# Altium PCB LimeSDR_Mini_1v3_Rounded.PcbDoc (part 3 of 6)
Units mm, origin at the board's own origin, x right, y up, seen from the top; angles counter-clockwise.
Board outline 69 x 31.37 mm, 8 copper layers (Top, L2, L3, L4, L5, L6, L7, Bottom), stack 1.555 mm thick; 419 components, 287 nets, 1771 pads, 821 vias.
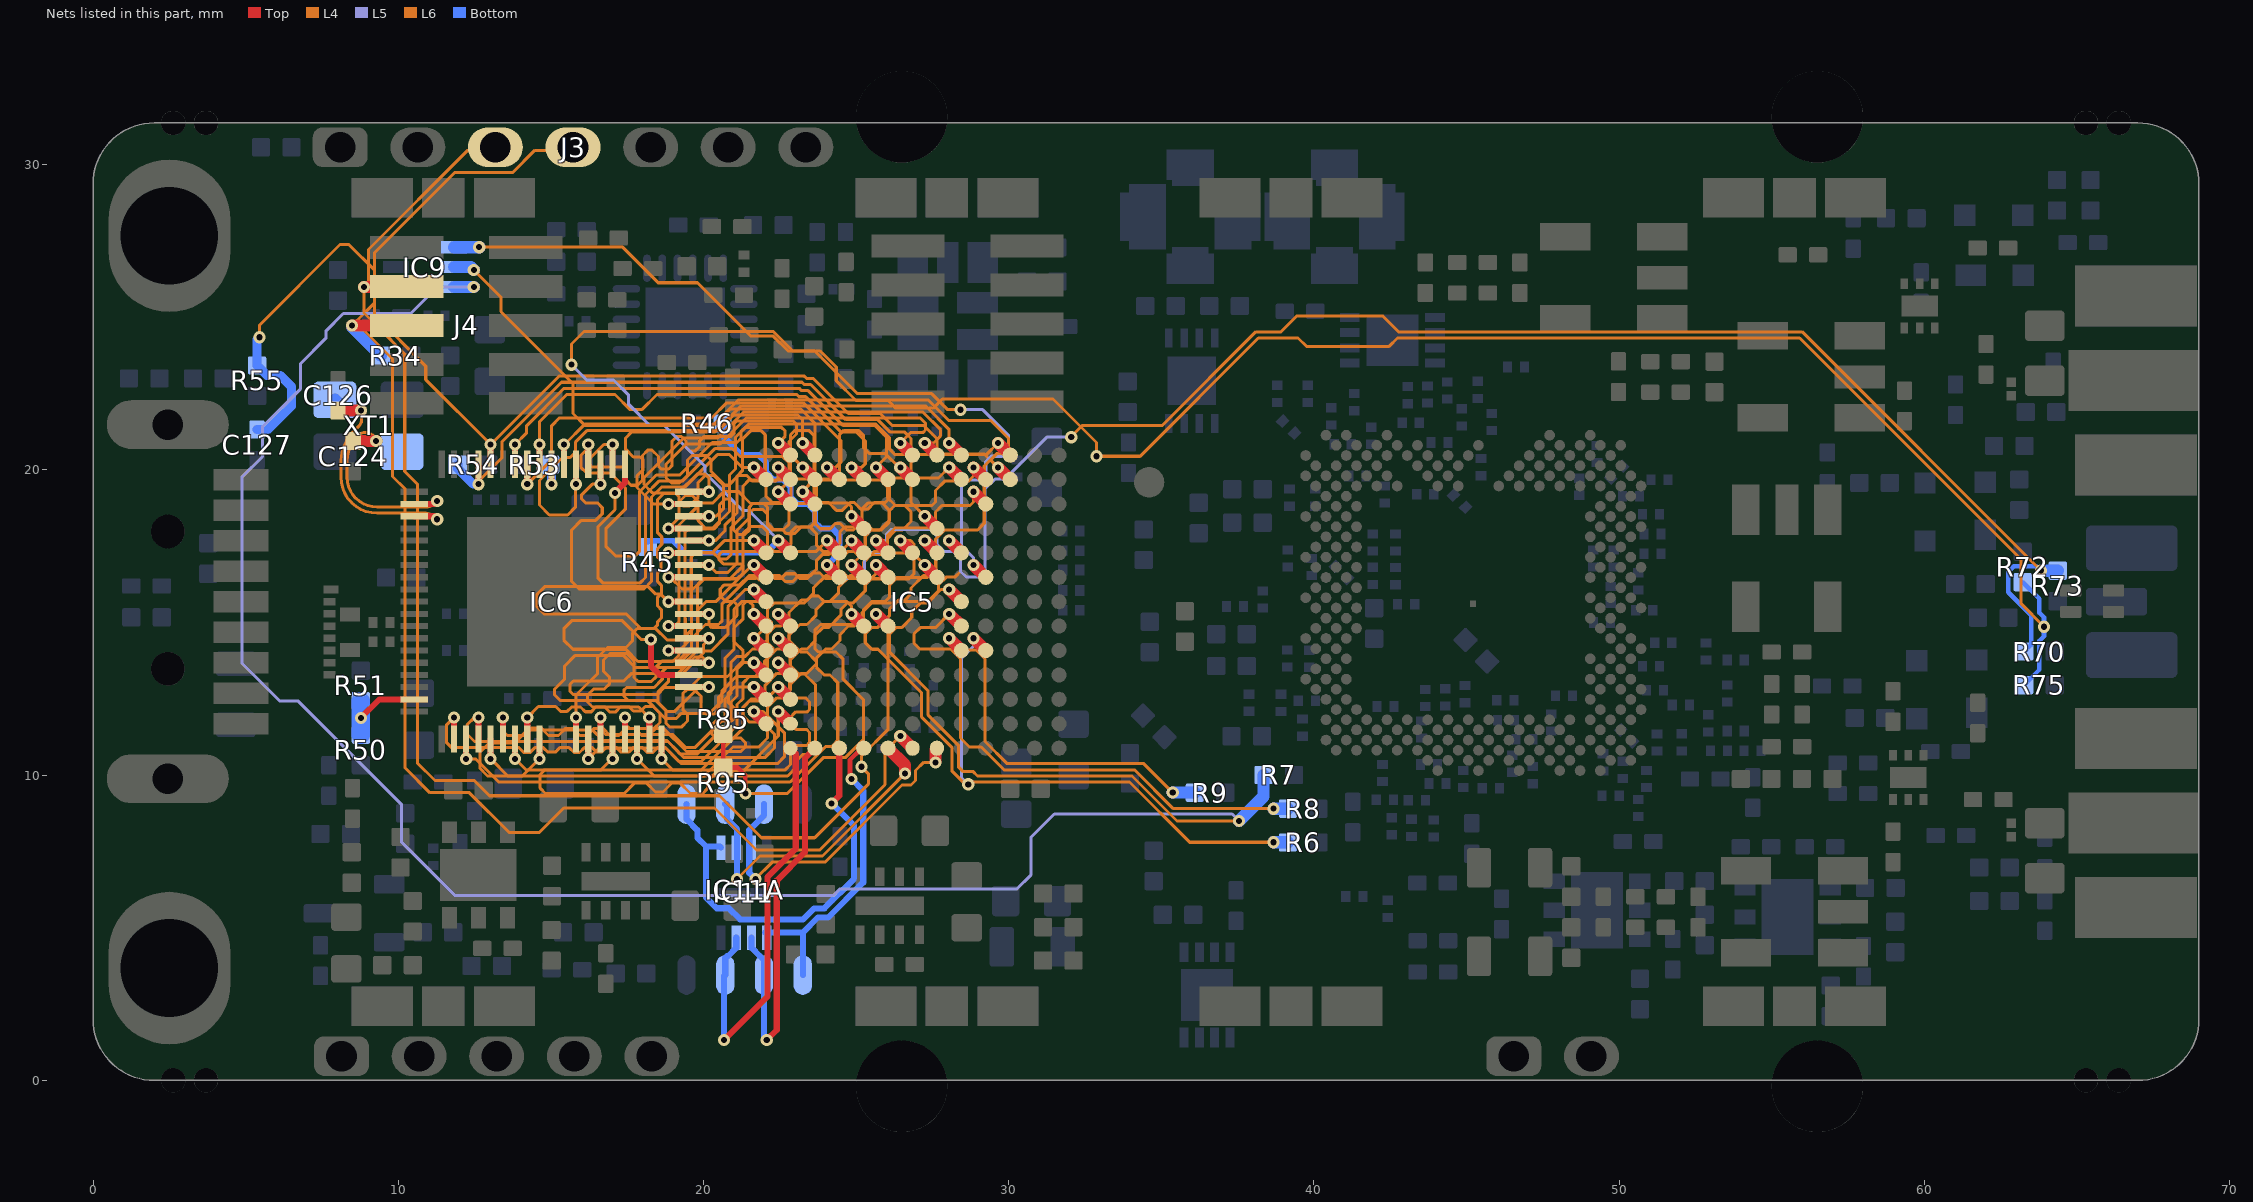
[diagram p9: the nets of this part, all layers, seen from the top]

## Via types
v1: diameter 0.4, hole 0.2, Top to Bottom, tented both sides, 601 vias
v2: diameter 0.4, hole 0.2, Top to Bottom, tented top, 99 vias
v3: diameter 0.35, hole 0.2, Top to Bottom, tented top, 79 vias
v4: diameter 0.5, hole 0.2, Top to Bottom, tented bottom, 25 vias
v5: diameter 0.35, hole 0.2, Top to Bottom, tented both sides, 9 vias
v6: diameter 0.5, hole 0.2, Top to Bottom, tented both sides, 8 vias

## Nets (pads, with @x,y where several pads share a name; then routed paths per layer and width w, separated by ;. In a path a pad name is that pad's centre, name@x,y a point inside that pad or via, vN(x,y) a via of type N, cw(c..) or ccw(c..) an arc to the next point about the centre after c; other vN are vias at no path point) (continued)
FPGA_JTAG_TDO: IC5.F6 J3.3 J4.3 | length 47.8
  Top w0.4: v1(8.875,26) 10.265,26 J4.3@10.275,26.01 ; v2(25.65,15.285) IC5.F6@26.05,14.885
  L4 w0.1: v1(8.875,26) 8.875,25.142 9.771,24.246 9.771,24.245 10.212,23.803 10.212,19.953 10.625,19.541 10.625,10.4 11.2,9.825 12.491,9.825 12.991,9.325 20.525,9.325 21.9,7.95 23.644,7.95 25.4,9.706 25.4,10.05 v1(25.175,10.275) ; v2@25.61,15.285 v2(25.65,15.285)
  L6 w0.1: v1(8.875,26) 9.025,26.15 9.025,27.225 12.275,30.475 J3.3@13.182,30.475 ; v1(25.175,10.275) 25.175,10.625 26.05,11.5 26.05,14.885 v2(25.65,15.285)
FPGA_JTAG_TMS: IC5.G1 J3.4 J4.5 R34.1 | length 49.9
  Top w0.4: v1(8.485,24.735) J4.5@10.275,24.735 ; v2(26.45,11.285) IC5.G1@26.85,10.885
  L4 w0.1: v1(8.485,24.735) 8.715,24.735 9.812,23.638 9.812,19.788 10.225,19.375 10.225,10.234 11.034,9.425 12.325,9.425 13.625,8.125 14.625,8.125 15.425,8.925 20.359,8.925 21.734,7.55 23.809,7.55 25.95,9.691 25.95,10.785 v2(26.45,11.285)
  L6 w0.1: v1(8.485,24.735) 9.225,25.475 9.225,27.125 11.85,29.75 13.75,29.75 14.475,30.475 J3.4@15.725,30.475
  Bottom w0.4: v1(8.485,24.735) 8.485,24.69 R34.1@9.425,23.75
FPGA_LED_G: IC5.D8 R46.2 R70.2 R73.2 | length 63.4
  Top w0.4: v2(24.05,16.885) IC5.D8@24.45,16.485
  L4 w0.1: v1@31.975,21.025 32.4,21.45 35.025,21.45 38.1,24.525 38.925,24.525 39.45,25.05 42.25,25.05 42.775,24.525 56,24.525 v1(63.825,16.7)
  L5 w0.1: v2(24.05,16.885) 24.485,16.45 25.05,16.45 25.275,16.675 25.275,17.075 25.5,17.3 25.782,17.3 26,17.518 26,17.9 26.15,18.05 27.425,18.05 27.65,17.825 27.65,17.575 27.9,17.325 28.2,17.325 28.425,17.1 28.425,16.675 28.6,16.5 29.05,16.5 29.225,16.675 29.225,19.375 29.55,19.7 29.875,19.7 31.25,21.075 v1(32.05,21.075)
  Bottom w0.15: R70.2@63.275,14.05 63.5,14.275 63.5,15.238 62.75,15.988 62.75,16.662 62.938,16.85 63.675,16.85 v1(63.825,16.7)
  Bottom w0.2: R46.2@20.675,21.475 20.675,21.065 21.255,20.485 21.816,20.485 22.05,20.251 22.05,19.919 22.284,19.685 22.616,19.685 22.85,19.451 22.85,19.119 23.084,18.885 23.416,18.885 23.65,18.651 23.65,18.275 23.84,18.085 24.216,18.085 24.45,17.851 24.45,17.285 v2(24.05,16.885)
  Bottom w0.4: v1(63.825,16.7) R73.2@64.375,16.7
FPGA_LED_R: IC5.B9 R45.2 R72.2 R75.2 | length 76.8
  Top w0.4: v2(22.45,17.685) IC5.B9@22.85,17.285
  L4 w0.1: v1(32.875,20.45) 34.308,20.45 38.183,24.325 39.483,24.325 39.758,24.05 42.467,24.05 42.742,24.325 55.917,24.325 63.175,17.067 63.175,15.612 v1(63.925,14.863)
  L5 w0.1: v1(15.675,23.45) 16.175,22.95 17.05,22.95 17.55,22.45 17.55,22.15 18.25,21.45 18.725,21.45 20.05,20.125 20.05,19.907 21.282,18.675 21.482,18.675 22.45,17.707 v2(22.45,17.685)
  L6 w0.1: v1(15.675,23.45) 15.675,24.125 16.085,24.535 22.29,24.535 22.925,23.9 23.825,23.9 24.35,23.375 24.35,22.925 25,22.275 26.05,22.275 26.3,22.025 27.525,22.025 27.825,22.325 31.45,22.325 32.875,20.9 v1(32.875,20.45)
  Bottom w0.15: R72.2@63.225,16.325 63.775,15.775 63.775,15.325 63.925,15.175 v1(63.925,14.863) 63.925,14.55 63.775,14.4 63.775,13.461 R75.2@63.264,12.95
  Bottom w0.19: R45.2@18.175,17.65 18.205,17.68 19.014,17.68 19.409,17.285 22.05,17.285
  Bottom w0.2: 22.05,17.285 v2(22.45,17.685)
FPGA_QSPI_FLASH_SS: IC5.E1 IC11.1 IC11A.1 | length 10.1
  Top w0.15: v1(24.85,9.875) 24.8,9.925 24.8,10.5 IC5.E1@25.185,10.885 ; v1@24.9,9.875 v1@24.9,9.929
  Bottom w0.2: IC11.1@22.025,4.842 23.255,4.842 ; IC11A.1@23.255,3.45 23.255,4.842 ; v1(24.85,9.875) 25.236,9.489 25.236,6.486 24.086,5.336 23.749,5.336 23.255,4.842
FPGA_QSPI_IO0: IC5.D1 IC11.5 IC11A.5 | length 14.2
  Top w0.2: v1(24.2,9.075) 24.45,9.325 IC5.D1@24.45,10.885
  Bottom w0.2: IC11A.5@19.445,9.05 19.445,8.551 19.8,8.196 19.8,7.95 20.087,7.663 ; IC11.5@20.575,7.625 20.538,7.663 20.087,7.663 ; v1(24.2,9.075) 24.775,8.5 24.779,8.5 24.925,8.354 24.925,8.35 24.936,8.339 24.936,6.61 23.962,5.636 23.625,5.636 23.264,5.275 21.2,5.275 20.835,5.64 20.435,5.64 20.087,5.988 20.087,7.663
FPGA_QSPI_IO1: IC5.C1 IC11.2 IC11A.2 | length 13.8
  Top w0.2: v1(22.075,1.325) 22.4,1.65 22.4,6.543 23.325,7.468 23.325,10.56 IC5.C1@23.65,10.885
  Bottom w0.2: IC11.2@21.575,4.675 21.575,4.342 21.842,4.075 21.85,4.075 21.985,3.94 IC11A.2@21.985,3.45 21.985,1.415 v1(22.075,1.325)
FPGA_QSPI_IO2: IC5.B1 IC11.3 IC11A.3 | length 14.1
  Top w0.2: v1(20.675,1.325) 22.1,2.75 22.1,6.667 23.025,7.592 23.025,10.71 IC5.B1@22.85,10.885
  Bottom w0.2: v1(20.675,1.325) 20.675,3.41 IC11A.3@20.715,3.45 20.715,4.015 20.775,4.075 20.808,4.075 21.075,4.342 IC11.3@21.075,4.675
FPGA_QSPI_IO3: IC5.H1 IC11.7 IC11A.7 | length 10.9
  Top w0.4: v1@27.6,10.45 27.6,10.835 IC5.H1@27.65,10.885
  L4 w0.1: v1(21.7,6.6) 22.25,7.15 23.983,7.15 26.508,9.675 26.8,9.675 26.95,9.825 26.95,10.15 27.219,10.419 v1(27.6,10.419)
  Bottom w0.2: v1(21.7,6.6) 21.5,6.8 21.5,8.2 21.985,8.685 IC11A.7@21.985,9.05
FPGA_QSPI_SCLK: IC5.F1 IC11.6 IC11A.6 | length 10.6
  Top w0.4: IC5.F1@26.05,10.885 26.6,10.335 v1(26.6,10.05)
  L4 w0.1: v1(21.1,6.6) 21.85,7.35 23.9,7.35 v1(26.6,10.05)
  Bottom w0.2: IC11A.6@20.715,9.05 20.775,9.05 20.775,8.55 21.1,8.225 21.1,7.625 v1(21.1,6.6)
FPGA_SPI_DAC_SS: IC5.K8 IC9.1 | length 26.8
  Top w0.4: v2(28.85,16.885) IC5.K8@29.25,16.485
  L4 w0.1: v1(12.65,27.3) 17.35,27.3 18.515,26.135 19.807,26.135 21.557,24.385 22.29,24.385 22.775,23.9 23.65,23.9 25.05,22.5 27.475,22.5 28,21.975 v1(28.425,21.975)
  L5 w0.1: v1(28.425,21.975) 29.15,21.975 30,21.125 30,20.74 30,20.675 29.775,20.45 29.425,20.45 29.25,20.275 29.25,19.875 29.05,19.675 28.65,19.675 28.45,19.475 28.45,17.525 28.85,17.125 v2(28.85,16.885)
  Bottom w0.4: IC9.1@11.825,27.3 v1(12.65,27.3)
FPGA_SPI_LMS_SS: IC5.J5 R9.2 | length 12.3
  Top w0.4: v2(28.05,14.485) IC5.J5@28.45,14.085
  L4 w0.1: v2(28.05,14.485) 28.435,14.1 28.93,14.1 29.225,13.805 29.225,11.1 29.95,10.375 34.428,10.375 v1(35.375,9.428)
  Bottom w0.4: v1(35.375,9.428) R9.2@36.1,9.428
FPGA_SPI_MISO: IC5.J6 R8.2 | length 18.3
  Top w0.4: v2(28.05,15.285) IC5.J6@28.45,14.885
  L4 w0.1: v2(28.05,15.285) 27.6,14.835 27.105,14.835 26.9,14.63 26.9,14.325 27.09,14.135 28.095,14.135 28.425,13.805 28.425,11.215 28.715,10.925 29.1,10.925 29.85,10.175 34.125,10.175 35.397,8.903 v1(38.675,8.903)
  Bottom w0.4: v1(38.675,8.903) R8.2@39.15,8.903
FPGA_SPI_MOSI: IC5.J7 IC9.3 R7.2 | length 76.9
  Top w0.4: v2(28.05,16.085) IC5.J7@28.45,15.685
  L4 w0.1: v2(28.05,16.085) 27.785,16.085 27.335,15.635 27.105,15.635 26.825,15.355 26.825,15.165 26.495,14.835 26.305,14.835 26.1,14.63 26.1,14.025 27.35,12.775 27.35,11.983 28.35,10.983 28.35,10.275 28.498,10.127 28.825,10.127 28.977,9.975 34.042,9.975 35.517,8.5 v1(37.55,8.5)
  L5 w0.1: v1(12.475,26) 11.284,26 10.409,25.125 8.2,25.125 7.625,24.55 7.625,24.312 6.8,23.487 6.8,22.666 5.55,21.416 5.55,20.437 4.875,19.762 4.875,13.675 6.125,12.425 6.725,12.425 10.1,9.05 10.1,7.814 11.864,6.05 24.25,6.05 24.475,6.275 30.275,6.275 30.725,6.725 30.725,7.955 31.495,8.725 37.325,8.725 v1(37.55,8.5)
  Bottom w0.4: IC9.3@11.825,26 v1(12.475,26) ; v1(37.55,8.5) 38.35,9.3 R7.2@38.35,10.003
FPGA_SPI_SCLK: IC5.K5 IC9.2 R6.2 | length 54.8
  Top w0.4: v2(28.85,14.485) IC5.K5@29.25,14.085
  L4 w0.1: v1(12.475,26.55) 13.362,25.662 13.362,25.188 15.725,22.825 15.725,21.85 16.125,21.45 20.3,21.45 21.15,22.3 27.355,22.3 28.03,21.625 29.405,21.625 30,21.03 30,20.74 29.795,20.535 29.605,20.535 29.2,20.13 29.2,18.25 28.985,18.035 27.905,18.035 27.6,17.73 27.6,16.74 27.395,16.535 27.205,16.535 26.8,16.13 26.8,15.94 26.595,15.735 26.385,15.735 26.1,15.45 26.1,15.24 25.695,14.835 25.505,14.835 25.3,14.63 25.3,14.34 25.515,14.125 25.717,14.125 27.15,12.692 27.15,11.9 28.15,10.9 28.15,10.125 28.575,9.7 v1(28.675,9.7) ; v1@28.782,9.775 33.959,9.775 35.932,7.803 v1(38.675,7.803)
  L5 w0.1: v1(28.675,9.7) 28.45,9.925 28.45,13.825 28.85,14.225 v2(28.85,14.485)
  Bottom w0.4: IC9.2@11.825,26.65 12.375,26.65 v1(12.475,26.55) ; v1(38.675,7.803) R6.2@39.15,7.803
FT_BE0: IC5.B11 IC6.4 | length 15.7
  Top w0.2: v1(17.1,19.25) 17.425,19.575 IC6.4@17.425,20.185
  Top w0.4: v2(22.45,19.285) IC5.B11@22.85,18.885
  L6 w0.1: v1(17.1,19.25) 17.1,18.7 16.55,18.15 16.55,16.45 16.7,16.3 17.925,16.3 18.1,16.475 18.1,19.196 18.539,19.635 19.307,19.635 20.372,20.7 20.95,20.7 21.215,20.435 22.595,20.435 22.8,20.23 22.8,19.635 v2(22.45,19.285)
FT_BE1: IC5.C12 IC6.5 | length 14.7
  Top w0.2: IC6.5@17.025,20.185 v1(17.025,20.835)
  Top w0.4: v2(23.25,20.085) IC5.C12@23.65,19.685
  L6 w0.1: v1(17.025,20.835) 16.735,20.835 16.241,20.341 16.241,20.209 16.35,20.1 17.375,20.1 17.45,20.025 17.45,19.678 17.628,19.5 17.839,19.5 18,19.661 18,20.475 18.175,20.65 18.315,20.65 18.525,20.44 18.525,20.125 18.615,20.035 18.86,20.035 18.975,20.15 18.975,20.95 19.125,21.1 19.275,21.1 19.425,20.95 19.425,20.75 19.55,20.625 19.732,20.625 19.875,20.768 19.875,20.962 20.013,21.1 20.9,21.1 21,21.2 21,21.517 21.083,21.6 22.95,21.6 23.05,21.5 23.05,21.18 22.8,20.93 22.8,20.535 v2(23.25,20.085)
FT_BE2: IC5.A12 IC6.6 | length 15.7
  Top w0.2: v1(16.625,19.535) IC6.6@16.625,20.185
  Top w0.4: v2(21.65,20.085) IC5.A12@22.05,19.685
  L6 w0.1: v1(16.625,19.535) 16.36,19.535 16,19.175 16,19.063 16.138,18.925 16.525,18.925 16.684,18.766 16.684,18.566 16.467,18.35 16,18.35 15.675,18.025 15.675,16.35 15.925,16.1 18.05,16.1 18.3,16.35 18.3,19.113 18.622,19.435 19.39,19.435 20.455,20.5 20.85,20.5 21.265,20.085 v2(21.65,20.085)
FT_BE3: IC5.B13 IC6.7 | length 15.6
  Top w0.2: IC6.7@16.225,20.185 v1(16.225,20.835)
  Top w0.4: v2(22.45,20.885) IC5.B13@22.85,20.485
  L6 w0.1: v1(16.225,20.835) 16.21,20.835 16.21,20.702 15.983,20.475 15.983,20.092 16.175,19.9 16.945,19.9 17.45,19.395 17.45,18.725 16.8,18.075 16.8,17.5 17.115,17.185 17.76,17.185 17.9,17.325 17.9,19.278 18.457,19.835 19.224,19.835 20.289,20.9 21.1,20.9 21.225,21.025 21.225,21.25 21.375,21.4 22.55,21.4 22.675,21.275 22.675,21.11 v2(22.45,20.885)
FT_CLK: IC5.G9 R85.1 R95.1 | length 18.2
  Top w0.15: R85.1@20.65,11.35 R95.1@20.65,10.25 21.125,10.25 21.375,10 v1(21.375,9.4)
  Top w0.4: v2(26.45,17.685) IC5.G9@26.85,17.285
  L4 w0.1: v1(21.375,9.4) 22.749,9.4 23.924,10.575 24.65,10.575 25.25,11.175 25.25,12.463 24.575,13.138 24.575,13.8 24.34,14.035 23.765,14.035 23.65,14.15 23.65,14.75 23.835,14.935 25.085,14.935 25.25,15.1 25.25,15.425 25.51,15.685 25.946,15.685 26.1,15.839 26.1,16 26.1,16.23 26.305,16.435 26.735,16.435 26.9,16.6 26.9,17.575 26.79,17.685 v2(26.45,17.685)
FT_D0: IC5.A2 IC6.40 | length 16.4
  Top w0.2: IC6.40@11.825,11.185 v1@11.825,11.835
  Top w0.4: v2(21.65,12.085) IC5.A2@22.05,11.685
  L4 w0.1: v1(11.825,11.885) 11.575,11.635 11.575,11.075 11.75,10.9 13.955,10.9 14.105,10.75 14.325,10.75 14.475,10.9 14.755,10.9 14.903,10.752 15.148,10.752 15.295,10.9 15.6,10.9 15.76,10.74 15.935,10.74 16.095,10.9 16.355,10.9 16.503,10.753 16.653,10.753 16.8,10.9 17.155,10.9 17.303,10.752 17.548,10.752 17.695,10.9 18,10.9 18.15,10.75 18.345,10.75 18.495,10.9 18.755,10.9 19.28,10.375 22.425,10.375 22.65,10.6 22.65,11.39 21.955,12.085 v2(21.65,12.085)
FT_D1: IC5.B6 IC6.41 | length 19.5
  Top w0.2: v1(12.225,10.535) IC6.41@12.225,11.185
  Top w0.4: v2(22.45,15.285) IC5.B6@22.85,14.885
  L4 w0.1: v1(12.225,10.535) 12.53,10.535 13.29,9.775 22.841,9.775 24.001,10.935 24.195,10.935 24.242,10.982 24.4,11.14 24.4,13.03 24.145,13.285 23.955,13.285 23.7,13.54 23.7,13.73 23.395,14.035 23.183,14.035 22.8,14.418 22.8,14.935 v2(22.45,15.285)
FT_D2: IC5.B3 IC6.42 | length 16
  Top w0.2: IC6.42@12.625,11.185 v1@12.625,11.835
  Top w0.4: v2(22.45,12.885) IC5.B3@22.85,12.485
  L4 w0.1: v1(12.625,11.885) 12.485,11.885 12.25,11.65 12.25,11.35 12.5,11.1 18.838,11.1 19.363,10.575 22.009,10.575 22.325,10.891 22.325,11.342 21.932,11.735 21.505,11.735 21.3,11.94 21.3,12.23 21.505,12.435 22,12.435 v2(22.45,12.885)
FT_D3: IC5.B5 IC6.43 | length 16.8
  Top w0.2: v1(13.025,10.535) IC6.43@13.025,11.185
  Top w0.4: v2(22.45,14.485) IC5.B5@22.85,14.085
  L4 w0.1: v1(13.025,10.535) 13.585,9.975 22.758,9.975 23.075,10.292 23.075,10.5 23.25,10.675 23.425,10.675 23.675,10.925 23.675,12.955 23.313,13.318 23.123,13.318 22.835,13.605 22.835,14.1 v2(22.45,14.485)
FT_D4: IC5.A3 IC6.44 | length 15.3
  Top w0.2: IC6.44@13.425,11.185 v1@13.425,11.835
  Top w0.4: v2(21.65,12.885) IC5.A3@22.05,12.485
  L4 w0.1: v1(13.425,11.885) 13.425,11.45 13.575,11.3 14.135,11.3 14.385,11.55 14.675,11.55 14.925,11.3 15.25,11.3 15.485,11.535 15.715,11.535 15.95,11.3 16.175,11.3 16.41,11.535 16.7,11.535 16.935,11.3 17.225,11.3 17.45,11.525 17.75,11.525 17.975,11.3 18.2,11.3 18.435,11.535 18.686,11.535 19.446,10.775 21.225,10.775 21.375,10.925 21.375,11.065 21.215,11.225 20.4,11.225 20.275,11.35 20.275,11.65 20.4,11.775 20.925,11.775 21.075,11.925 21.075,12.125 20.812,12.388 20.812,12.688 21.01,12.885 v2(21.65,12.885)
FT_D5: IC5.B4 IC6.45 | length 15.9
  Top w0.2: v1(13.825,10.535) IC6.45@13.825,11.185
  Top w0.4: v2(22.45,13.685) IC5.B4@22.85,13.285
  L4 w0.1: v1(13.825,10.535) 14.185,10.175 22.675,10.175 22.85,10.35 22.85,10.85 22.975,10.975 23.375,10.975 23.475,11.075 23.475,11.4 23.375,11.5 23.025,11.5 22.825,11.7 22.825,11.875 23.025,12.075 23.4,12.075 23.475,12.15 23.475,12.4 23.34,12.535 22.99,12.535 22.825,12.7 22.825,13.31 v2(22.45,13.685)
FT_D6: IC5.E6 IC6.46 | length 16.3
  Top w0.2: IC6.46@14.225,11.185 v1@14.225,11.835
  Top w0.4: v2(24.85,15.285) IC5.E6@25.25,14.885
  L4 w0.1: v1(14.225,11.885) 14.59,12.25 15.155,12.25 15.315,12.09 15.535,12.09 15.68,12.235 15.97,12.235 16.127,12.077 16.322,12.077 16.48,12.235 16.77,12.235 16.94,12.065 17.11,12.065 17.28,12.235 17.57,12.235 17.702,12.102 17.948,12.102 18.095,12.25 18.355,12.25 18.755,11.85 19.1,11.85 19.275,12.025 20.2,12.025 20.612,12.437 20.612,12.77 21.077,13.235 21.86,13.235 22.1,13.475 22.1,13.83 22.273,14.002 22.273,14.168 22.1,14.34 22.1,14.63 22.225,14.755 22.225,15.015 22.1,15.14 22.1,15.43 22.305,15.635 23.295,15.635 23.53,15.87 23.77,15.87 23.955,15.685 24.7,15.685 24.85,15.535 v2(24.85,15.285)
FT_D7: IC5.A4 IC6.47 | length 15.7
  Top w0.2: v1(14.625,10.535) IC6.47@14.625,11.185
  Top w0.4: v2(21.65,13.685) IC5.A4@22.05,13.285
  L6 w0.1: v1(14.625,10.535) 14.065,9.975 12.925,9.975 12.675,10.225 12.675,10.75 12.975,11.05 13.8,11.05 14.225,11.475 16.367,11.475 16.707,11.135 18.803,11.135 19.175,10.763 19.175,10.75 19.225,10.7 19.8,10.7 20.9,11.8 20.9,12.396 21.1,12.596 21.1,13.475 21.31,13.685 v2(21.65,13.685)
FT_D8: IC5.B12 IC6.50 | length 16.3
  Top w0.2: IC6.50@15.825,11.185 v1@15.825,11.835
  Top w0.4: v2(22.45,20.085) IC5.B12@22.85,19.685
  L6 w0.1: v1(15.825,11.885) 15.825,12.625 16.285,13.085 16.291,13.085 16.525,13.319 16.525,13.854 16.856,14.185 17.46,14.185 17.675,14.4 17.675,14.65 17.825,14.8 18.375,14.8 18.5,14.925 18.5,15.03 18.62,15.15 18.62,15.42 18.5,15.54 18.5,15.685 18.5,15.83 18.62,15.95 18.62,16.22 18.5,16.34 18.5,16.525 18.5,16.63 18.608,16.737 18.608,17.033 18.5,17.14 18.5,17.43 18.633,17.562 18.633,17.808 18.5,17.94 18.5,18.2 18.5,19.03 18.705,19.235 19.089,19.235 19.2,19.124 19.2,18.95 19.325,18.825 19.542,18.825 19.825,19.108 19.825,19.587 20.064,19.826 20.334,19.826 20.66,19.5 20.825,19.5 21.15,19.825 21.41,19.825 21.6,19.635 22.36,19.635 22.45,19.725 v2(22.45,20.085)
FT_D9: IC5.H8 IC6.51 | length 16.9
  Top w0.2: v1(16.225,10.535) IC6.51@16.225,11.185
  Top w0.4: v2(27.25,16.885) IC5.H8@27.65,16.485
  L6 w0.1: v1(16.225,10.535) 16.575,10.885 18.77,10.885 18.975,10.68 18.975,10.667 19.192,10.45 19.925,10.45 21.1,11.625 21.1,12.313 21.3,12.513 21.3,13.03 21.505,13.235 21.695,13.235 22.008,13.548 22.008,13.737 22.405,14.135 22.595,14.135 22.8,14.34 22.8,14.575 23.16,14.935 23.395,14.935 23.68,15.22 23.68,15.41 23.965,15.695 24.155,15.695 24.42,15.96 24.42,16.15 24.805,16.535 24.995,16.535 25.25,16.79 25.25,16.98 25.505,17.235 26.16,17.235 26.2,17.275 26.86,17.275 v2(27.25,16.885)
FT_D10: IC5.E9 IC6.52 | length 14.5
  Top w0.2: IC6.52@16.625,11.185 v1@16.625,11.835
  Top w0.4: v2(24.85,17.685) IC5.E9@25.25,17.285
  L6 w0.1: v1(16.625,11.885) 16.625,11.5 16.79,11.335 18.995,11.335 19.43,10.9 19.717,10.9 20.7,11.883 20.7,12.479 20.9,12.678 20.9,13.7 21.085,13.885 21.355,13.885 21.605,14.135 21.795,14.135 22.075,14.415 22.075,14.605 22.355,14.885 22.545,14.885 22.8,15.14 22.8,15.33 23.205,15.735 23.395,15.735 23.6,15.94 23.6,16.13 24.005,16.535 24.195,16.535 24.4,16.74 24.4,17.235 v2(24.85,17.685)
FT_D11: IC5.B2 IC6.53 | length 14.5
  Top w0.2: v1(17.025,10.535) IC6.53@17.025,11.185
  Top w0.4: v2(22.45,12.085) IC5.B2@22.85,11.685
  L6 w0.1: v1(17.025,10.535) 17.003,10.535 16.643,10.175 14.8,10.175 14.65,10.025 14.65,9.575 14.825,9.4 17.4,9.4 17.75,9.75 18.125,9.75 18.425,9.45 18.671,9.45 18.971,9.75 19.225,9.75 19.575,9.4 19.975,9.4 20.125,9.55 20.125,9.801 20.599,10.275 20.775,10.275 20.95,10.1 21.267,10.1 22.45,11.283 v2(22.45,12.085)
FT_D12: IC5.D9 IC6.54 | length 16.5
  Top w0.2: IC6.54@17.425,11.185 v1@17.425,11.835
  Top w0.4: v2(24.05,17.685) IC5.D9@24.45,17.285
  L6 w0.1: v1(17.425,11.885) 17.425,11.675 17.565,11.535 18.385,11.535 18.575,11.725 18.575,11.901 18.575,12.03 18.155,12.45 17.525,12.45 17.4,12.575 17.4,12.8 17.475,12.875 18.383,12.875 18.65,13.142 18.65,13.388 18.797,13.535 19.243,13.535 19.803,14.095 19.803,16.208 20.03,16.435 21.11,16.435 21.3,16.625 21.3,16.838 21.213,16.925 20.65,16.925 20.504,17.071 20.504,17.221 20.618,17.335 23.7,17.335 v2(24.05,17.685)
FT_D13: IC5.J9 IC6.55 | length 17.1
  Top w0.2: v1(17.825,10.535) IC6.55@17.825,11.185
  Top w0.4: v2(28.05,17.685) IC5.J9@28.45,17.285
  L6 w0.1: v1(17.825,10.535) 18.385,9.975 20.016,9.975 20.966,10.925 21.809,10.925 22.1,11.216 22.1,12.23 22.405,12.535 22.595,12.535 22.85,12.79 22.85,12.98 23.205,13.335 23.395,13.335 23.7,13.64 23.7,13.83 24.005,14.135 24.195,14.135 24.475,14.415 24.475,14.605 24.755,14.885 24.945,14.885 25.2,15.14 25.2,15.33 25.505,15.635 26.285,15.635 26.335,15.685 27.345,15.685 27.7,16.04 27.7,16.23 27.97,16.5 28.25,16.5 28.425,16.675 28.425,17.31 v2(28.05,17.685)
FT_D14: IC5.A9 IC6.56 | length 15
  Top w0.2: IC6.56@18.225,11.185 v1@18.225,11.835
  Top w0.4: v2(21.65,17.685) IC5.A9@22.05,17.285
  L6 w0.1: v1(18.225,11.885) 17.875,12.235 16.365,12.235 16.2,12.4 16.2,12.625 16.4,12.825 16.75,12.825 16.925,13 16.925,13.2 16.725,13.4 16.725,13.771 16.939,13.985 17.49,13.985 17.725,13.75 17.725,13.2 17.85,13.075 18.3,13.075 18.45,13.225 18.45,13.55 18.635,13.735 19.16,13.735 19.603,14.178 19.603,15.218 19.6,15.221 19.6,17.15 19.75,17.3 20.3,17.3 20.685,17.685 v2(21.65,17.685)
FT_D15: IC5.H9 IC6.57 | length 15.1
  Top w0.2: v1(18.625,10.535) IC6.57@18.625,11.185
  Top w0.4: v2(27.25,17.685) IC5.H9@27.65,17.285
  L6 w0.1: v1(18.625,10.535) 18.985,10.175 19.933,10.175 21.3,11.542 21.3,12.23 21.565,12.495 21.755,12.495 22.02,12.76 22.02,12.95 22.405,13.335 22.595,13.335 22.858,13.598 22.858,13.787 23.205,14.135 23.395,14.135 23.65,14.39 23.65,14.58 23.905,14.835 24.095,14.835 24.5,15.24 24.5,15.43 24.705,15.635 24.895,15.635 25.3,16.04 25.3,16.23 25.505,16.435 26.285,16.435 26.325,16.475 27.335,16.475 27.625,16.765 27.625,17.31 v2(27.25,17.685)
FT_D16: IC5.A7 IC6.60 | length 16
  Top w0.2: IC6.60@19.525,12.885 v1(20.175,12.885)
  Top w0.4: v2(21.65,16.085) IC5.A7@22.05,15.685
  L4 w0.1: v1(20.175,12.885) 19.852,12.885 19.046,12.079 18.809,12.079 18.438,12.45 15.3,12.45 15.125,12.625 15.125,12.825 15.45,13.15 15.45,13.575 15.8,13.925 17.367,13.925 17.767,13.525 19.075,13.525 19.625,14.075 20.26,14.075 20.8,14.615 20.8,15.517 21.361,16.079 21.644,16.079 v2(21.65,16.085)
FT_D17: IC5.F8 IC6.61 | length 19.3
  Top w0.2: v1(18.275,14.45) 18.275,13.575 18.565,13.285 18.875,13.285 IC6.61@19.525,13.285
  Top w0.4: v2(25.65,16.885) IC5.F8@26.05,16.485
  L4 w0.1: v1(18.275,14.45) 17.95,14.45 17.325,15.075 15.7,15.075 15.425,14.8 15.425,14.425 15.725,14.125 17.45,14.125 17.85,13.725 18.992,13.725 19.2,13.933 19.2,14.067 20.068,14.935 20.493,14.935 20.6,15.042 20.6,15.6 21.45,16.45 21.71,16.45 21.868,16.607 22.168,16.607 22.325,16.45 22.55,16.45 22.7,16.6 23,16.6 23.15,16.45 23.4,16.45 23.575,16.625 23.815,16.625 23.99,16.45 24.25,16.45 24.425,16.625 24.6,16.625 24.775,16.45 25.5,16.45 25.65,16.6 v2(25.65,16.885)
FT_D18: IC5.A6 IC6.62 | length 15.5
  Top w0.2: IC6.62@19.525,13.685 v1(20.175,13.685)
  Top w0.4: v2(21.65,15.285) IC5.A6@22.05,14.885
  L4 w0.1: v1(20.175,13.685) 20.156,13.685 19.966,13.875 19.708,13.875 19.158,13.325 17.631,13.325 17.391,13.085 15.735,13.085 15.625,12.975 15.625,12.75 15.725,12.65 18.5,12.65 18.725,12.875 19.559,12.875 19.919,13.235 20.785,13.235 21.3,13.75 21.3,14.075 21,14.375 21,15.434 21.251,15.685 21.505,15.685 21.63,15.56 21.63,15.305 v2(21.65,15.285)
FT_D19: IC5.E10 IC6.63 | length 15.1
  Top w0.2: v1@18.875,14.085 IC6.63@19.525,14.085
  Top w0.4: v2(24.85,18.485) IC5.E10@25.25,18.085
  L6 w0.1: v1(18.85,14.085) 19.21,14.085 19.403,14.278 19.403,15.135 19.4,15.138 19.4,17.975 19.5,18.075 20.35,18.075 20.525,18.25 20.525,18.857 20.718,19.05 20.875,19.05 20.975,18.95 20.975,18.05 21.14,17.885 21.355,17.885 21.5,18.03 21.5,18.575 21.625,18.7 21.95,18.7 22.1,18.55 22.1,18.175 22.24,18.035 22.595,18.035 22.715,17.915 22.985,17.915 23.195,18.125 23.5,18.125 23.675,18.3 23.675,18.842 23.758,18.925 24.716,18.925 24.85,18.791 v2(24.85,18.485)
FT_D20: IC5.A5 IC6.64 | length 14.6
  Top w0.2: IC6.64@19.525,14.485 v1(20.175,14.485)
  Top w0.4: v2(21.65,14.485) IC5.A5@22.05,14.085
  L6 w0.1: v1(20.175,14.485) 20.175,14.449 20.003,14.276 20.003,14.012 19.326,13.335 18.92,13.335 18.85,13.265 18.85,13.059 18.506,12.716 18.506,12.381 18.775,12.113 18.775,11.7 18.9,11.575 19.275,11.575 19.475,11.775 19.475,11.992 19.325,12.142 19.325,12.675 19.45,12.8 19.7,12.8 19.925,12.575 19.925,12.17 20.095,12 20.35,12 20.5,12.15 20.5,12.561 20.7,12.761 20.7,13.825 21,14.125 21,14.825 21.3,15.125 21.3,15.592 21.393,15.685 21.968,15.685 22.1,15.552 22.1,14.913 21.672,14.485 v2(21.65,14.485)
FT_D21: IC5.F9 IC6.65 | length 15.9
  Top w0.2: v1@18.875,14.885 IC6.65@19.525,14.885
  Top w0.4: v2(25.65,17.685) IC5.F9@26.05,17.285
  L6 w0.1: v1(18.85,14.885) 19.06,14.885 19.2,15.025 19.2,18.2 19.925,18.925 20.31,18.925 20.685,19.3 21.14,19.3 21.54,18.9 23.45,18.9 23.7,19.15 23.7,19.475 23.9,19.675 25.8,19.675 26.025,19.45 26.025,19.1 26.29,18.835 26.595,18.835 26.8,18.63 26.8,18.31 26.525,18.035 26.305,18.035 25.955,17.685 v2(25.65,17.685)
FT_D22: IC5.E8 IC6.66 | length 14.2
  Top w0.2: IC6.66@19.525,15.285 v1(20.175,15.285)
  Top w0.4: v2(24.85,16.885) IC5.E8@25.25,16.485
  L6 w0.1: v1(20.175,15.285) 20.175,14.935 20.275,14.835 20.71,14.835 21.1,15.225 21.1,15.583 20.998,15.685 20.738,15.685 20.55,15.873 20.55,16.1 20.685,16.235 21.193,16.235 21.493,16.535 21.695,16.535 21.84,16.39 22.09,16.39 22.235,16.535 22.495,16.535 22.69,16.34 22.915,16.34 23.11,16.535 23.495,16.535 23.7,16.74 23.7,17.03 23.905,17.235 24.117,17.235 24.475,17.593 24.475,17.975 24.635,18.135 24.995,18.135 25.2,18.34 25.2,18.725 25.4,18.925 25.85,18.925 26.075,18.7 26.075,18.275 25.835,18.035 25.505,18.035 25.3,17.83 25.3,17.335 v2(24.85,16.885)
FT_D23: IC5.A8 IC6.67 | length 15.1
  Top w0.2: v1@18.875,15.685 IC6.67@19.525,15.685
  Top w0.4: v2(21.65,16.885) IC5.A8@22.05,16.485
  L4 w0.1: v1(18.85,15.685) 18.605,15.93 18.44,15.93 18.195,16.175 14.8,16.175 14.525,15.9 14.525,15.55 14.8,15.275 17.475,15.275 17.95,14.8 18.44,14.8 18.805,14.435 19.285,14.435 19.825,14.975 19.825,15.43 20.08,15.685 20.402,15.685 21.602,16.885 v2(21.65,16.885)
FT_D24: IC5.K11 IC6.69 | length 16.2
  Top w0.2: v1@18.875,16.485 IC6.69@19.525,16.485
  Top w0.4: v2(28.85,19.285) IC5.K11@29.25,18.885
  L4 w0.1: v1(18.85,16.485) 18.91,16.485 19.295,16.1 19.658,16.1 19.993,16.435 20.869,16.435 21.3,16.866 21.3,17.925 21.525,18.15 21.927,18.15 22.1,17.977 22.1,17.54 22.305,17.335 22.615,17.335 22.875,17.595 22.875,17.975 23.035,18.135 23.482,18.135 23.7,17.917 23.7,17.54 23.905,17.335 24.115,17.335 24.3,17.15 24.55,17.15 24.725,17.325 24.95,17.325 25.1,17.175 25.445,17.175 25.595,17.325 25.825,17.325 26.025,17.525 26.025,17.85 26.275,18.1 27.45,18.1 27.6,18.25 27.6,18.625 27.81,18.835 28.735,18.835 28.85,18.95 v2(28.85,19.285)
FT_D25: IC5.K12 IC6.70 | length 15.4
  Top w0.2: IC6.70@19.525,16.885 v1(20.175,16.885)
  Top w0.4: v2(28.85,20.085) IC5.K12@29.25,19.685
  L4 w0.1: v1(20.175,16.885) 20.425,16.635 20.786,16.635 21.1,16.949 21.1,18.025 21.5,18.425 21.5,18.775 21.625,18.9 21.975,18.9 22.1,18.775 22.1,18.26 22.31,18.05 22.625,18.05 22.8,18.225 22.8,18.725 22.975,18.9 23.425,18.9 23.625,18.7 23.625,18.275 23.825,18.075 24.15,18.075 24.32,18.245 24.48,18.245 24.69,18.035 24.91,18.035 25.125,18.25 25.335,18.25 25.55,18.035 25.775,18.035 26.1,18.36 26.1,18.675 26.26,18.835 27.485,18.835 27.6,18.95 27.6,19.33 27.905,19.635 28.685,19.635 28.85,19.8 v2(28.85,20.085)
FT_D26: IC5.J12 IC6.71 | length 15.4
  Top w0.2: v1@18.875,17.285 IC6.71@19.525,17.285
  Top w0.4: v2(28.05,20.085) IC5.J12@28.45,19.685
  L4 w0.1: v1(18.85,17.285) 20.325,17.285 20.525,17.085 20.76,17.085 20.9,17.225 20.9,18.108 21.3,18.508 21.3,19.475 21.5,19.675 21.85,19.675 22.05,19.475 22.05,19.135 22.25,18.935 22.66,18.935 22.875,19.15 22.875,19.5 23.075,19.7 23.475,19.7 23.625,19.55 23.625,19.135 23.825,18.935 24.095,18.935 24.353,18.677 24.548,18.677 24.805,18.935 24.94,18.935 25.16,18.715 25.385,18.715 25.605,18.935 25.96,18.935 26.1,19.075 26.1,19.6 26.235,19.735 27.7,19.735 v2(28.05,20.085)
FT_D27: IC5.G12 IC6.72 | length 16.8
  Top w0.2: IC6.72@19.525,17.685 v1(20.175,17.685)
  Top w0.4: v2(26.45,20.085) IC5.G12@26.85,19.685
  L4 w0.1: v1(20.175,17.685) 20.387,17.685 20.7,17.998 20.7,18.191 21.1,18.591 21.1,19.8 21.275,19.975 21.275,21.011 21.564,21.3 21.875,21.3 22.025,21.15 22.025,19.9 22.25,19.675 22.7,19.675 22.85,19.825 22.85,21.15 23,21.3 23.45,21.3 23.625,21.125 23.625,19.9 23.825,19.7 24.325,19.7 24.45,19.825 24.45,21.15 24.6,21.3 25.075,21.3 25.25,21.125 25.25,20.725 25.44,20.535 25.957,20.535 26.407,20.085 v2(26.45,20.085)
FT_D28: IC5.L13 IC6.73 | length 17.1
  Top w0.2: v1@18.875,18.085 IC6.73@19.525,18.085
  Top w0.4: v2(29.65,20.885) IC5.L13@30.05,20.485
  L4 w0.1: v1(18.85,18.085) 19.2,18.435 19.2,18.952 19.411,19.164 19.636,19.164 19.825,18.975 19.825,18.34 20.065,18.1 20.308,18.1 20.85,18.642 20.85,19.833 21.05,20.033 21.05,21.069 21.481,21.5 25.65,21.5 26.1,21.05 26.1,20.675 26.275,20.5 29.265,20.5 v2(29.65,20.885)
FT_D29: IC5.G13 IC6.74 | length 16.7
  Top w0.2: IC6.74@19.525,18.485 v1(20.175,18.485)
  Top w0.4: v2(26.45,20.885) IC5.G13@26.85,20.485
  L4 w0.1: v1(20.175,18.485) 20.41,18.485 20.65,18.725 20.65,19.55 20.25,19.95 20.25,20.325 20.1,20.475 19.625,20.475 19.475,20.325 19.475,19.835 19.215,19.575 18.95,19.575 18.775,19.75 18.775,20.192 19.433,20.85 20.549,20.85 21.399,21.7 27.107,21.7 27.275,21.532 27.275,21.309 27.201,21.235 26.8,21.235 v2(26.45,20.885)
FT_D30: IC5.J13 IC6.75 | length 16.3
  Top w0.2: v1@18.875,18.885 IC6.75@19.525,18.885
  Top w0.4: v2(28.05,20.885) IC5.J13@28.45,20.485
  L4 w0.1: v1(18.85,18.885) 18.365,18.885 17.825,19.425 17.825,19.808 18.025,20.008 18.025,20.325 17.925,20.425 17.7,20.425 17.45,20.675 17.45,21.05 17.65,21.25 20.383,21.25 21.233,22.1 27.272,22.1 28.05,21.322 28.05,21.13 v2(28.05,20.885)
FT_D31: IC5.H13 IC6.76 | length 16.1
  Top w0.2: IC6.76@19.525,19.285 v1(20.175,19.285)
  Top w0.4: v2(27.25,20.885) IC5.H13@27.65,20.485
  L4 w0.1: v1(20.175,19.285) 20.175,19.742 20.048,19.869 19.794,19.869 19.175,19.25 18.325,19.25 18.05,19.525 18.05,19.75 19.35,21.05 20.466,21.05 21.316,21.9 27.189,21.9 27.773,21.317 27.773,21.123 27.535,20.885 v2(27.25,20.885)
FT_OEN: IC5.F12 IC6.13 | length 16.1
  Top w0.2: IC6.13@13.825,20.185 v1(13.825,20.835)
  Top w0.4: v2(25.65,20.085) IC5.F12@26.05,19.685
  L6 w0.1: v1(13.825,20.835) 14.208,21.217 14.208,21.45 15.433,22.675 23.139,22.675 23.214,22.6 23.431,22.6 24.581,21.45 25.625,21.45 26,21.075 26,20.435 v2(25.65,20.085)
FT_RDN: IC5.D12 IC6.12 | length 15
  Top w0.2: v1(14.225,19.535) IC6.12@14.225,20.185
  Top w0.4: v2(24.05,20.085) IC5.D12@24.45,19.685
  L6 w0.1: v1(14.225,19.535) 15.025,20.335 15.025,21.45 15.275,21.7 20.26,21.7 20.76,22.2 23.266,22.2 24.5,20.966 24.5,20.25 24.335,20.085 v2(24.05,20.085)
FT_RESETN: C127.1 IC5.L12 IC6.15 R55.1 | length 37.5
  Top w0.2: IC6.15@13.025,20.185 v1(13.025,20.835)
  Top w0.4: v2(29.65,20.085) IC5.L12@30.05,19.685
  L4 w0.1: v1(5.45,24.35) 5.45,24.745 8.09,27.385 8.38,27.385 9.225,26.54 9.225,25.075 10.9,23.4 10.9,22.96 v1(13.025,20.835)
  L6 w0.1: v1(13.025,20.835) 15.265,23.075 23.305,23.075 23.38,23 23.597,23 24.747,21.85 25.791,21.85 26.191,21.45 27.225,21.45 27.65,21.025 27.65,20.725 27.85,20.525 29.2,20.525 29.64,20.085 v2(29.65,20.085)
  Bottom w0.3: C127.1@5.375,21.325 5.725,21.325 6.5,22.1 6.5,22.725 6.125,23.1 5.7,23.1 R55.1@5.375,23.425 5.375,24.275 v1(5.45,24.35)
FT_RXFN: IC5.C11 IC6.9 | length 12.5
  Top w0.2: IC6.9@15.425,20.185 v1(15.425,20.835)
  Top w0.4: v2(23.25,19.285) IC5.C11@23.65,18.885
  L6 w0.1: v1(15.425,20.835) 15.447,20.835 16.112,21.5 20.375,21.5 20.875,22 23.183,22 23.65,21.533 23.65,19.708 23.25,19.308 v2(23.25,19.285)
FT_SIWUN: IC6.10 R53.1 | length 1.3
  Top w0.2: v1(15.025,19.535) IC6.10@15.025,20.185
  Bottom w0.3: R53.1@14.975,20.175 15.025,20.125 v1(15.025,19.535)
FT_TXEN: IC5.C13 IC6.8 | length 14.8
  Top w0.2: v1(15.825,19.535) IC6.8@15.825,20.185
  Top w0.4: v2(23.25,20.885) IC5.C13@23.65,20.485
  L6 w0.1: v1@15.8,19.56 15.8,18.775 15.55,18.525 14.95,18.525 14.625,18.85 14.625,19.652 15.38,20.408 15.633,20.408 15.8,20.575 15.8,20.905 16.195,21.3 20.5,21.3 21,21.8 23.1,21.8 23.25,21.65 v2(23.25,20.885)
FT_VBUS: IC6.37 R50.1 R51.2 | length 3.1
  Top w0.2: v1(8.775,11.875) 9.385,12.485 IC6.37@10.525,12.485
  Bottom w0.6: R50.1@8.775,11.325 R51.2@8.775,12.425
FT_WAKEUPN: IC5.H10 IC6.16 R54.1 | length 21.6
  Top w0.2: v1(12.625,19.535) IC6.16@12.625,20.185
  Top w0.4: v2(27.25,18.485) IC5.H10@27.65,18.085
  L6 w0.1: v1(12.625,19.535) 12.625,19.625 13.4,20.4 13.4,20.925 15.35,22.875 23.222,22.875 23.297,22.8 23.514,22.8 24.664,21.65 25.708,21.65 26.108,21.25 26.58,21.25 26.8,21.03 26.8,18.935 v2(27.25,18.485)
  Bottom w0.3: R54.1@11.95,20.175 11.95,20.046 12.461,19.535 v1(12.625,19.535)
FT_WRN: IC5.E12 IC6.11 | length 15.3
  Top w0.2: IC6.11@14.625,20.185 v1(14.625,20.835)
  Top w0.4: v2(24.85,20.085) IC5.E12@25.25,19.685
  L6 w0.1: v1(14.625,20.835) 14.625,21.584 15.516,22.475 17.1,22.475 17.6,21.975 17.975,21.975 18.475,22.475 23.057,22.475 23.132,22.4 23.349,22.4 24.499,21.25 25,21.25 25.3,20.95 25.3,20.2 25.185,20.085 v2(24.85,20.085)
FT_XTAL_N: C126.1 IC6.22 XT1.1 | length 8.8
  Top w0.2: IC6.22@10.525,18.485 11.175,18.485 v1(11.275,18.385)
  Top w0.4: C126.1@8.025,21.95 v1(8.775,21.95)
  L6 w0.1: v1(8.775,21.95) cw(c8.715,21.89) 8.8,21.89 8.8,21.65 cw(c8.517,21.65) 8.717,21.45 8.534,21.266 ccw(c9.52,20.28) 8.125,20.28 8.125,19.76 ccw(c9.3,19.76) 9.3,18.585 10.9,18.585 cw(c10.9,18.162) 11.199,18.461 v1(11.275,18.385)
  Bottom w0.4: XT1.1@7.925,22.3 8.275,21.95 v1(8.775,21.95)
FT_XTAL_P: C124.1 IC6.21 XT1.3 | length 7.3
  Top w0.2: IC6.21@10.525,18.885 11.175,18.885 v1(11.275,18.985)
  Top w0.4: C124.1@8.525,20.95 v1(9.275,20.95)
  L6 w0.1: v1@9.275,21.029 9.194,21.11 ccw(c8.916,20.832) 8.916,21.225 ccw(c8.916,20.884) 8.675,21.125 ccw(c9.52,20.28) 8.325,20.28 8.325,19.76 ccw(c9.3,19.76) 9.3,18.785 10.9,18.785 ccw(c10.9,19.208) 11.199,18.909 v1(11.275,18.985)